# Altium PCB TIK_PCB.PcbDoc (part 1 of 2)
Units mm, origin at the board's own origin, x right, y up, seen from the top; angles counter-clockwise.
Board outline 132 x 54 mm, 2 copper layers (Top Layer, Bottom Layer), stack 1.57 mm thick; 153 components, 81 nets, 467 pads, 1308 vias.
Unrouted connection lines stored in the file: 276.
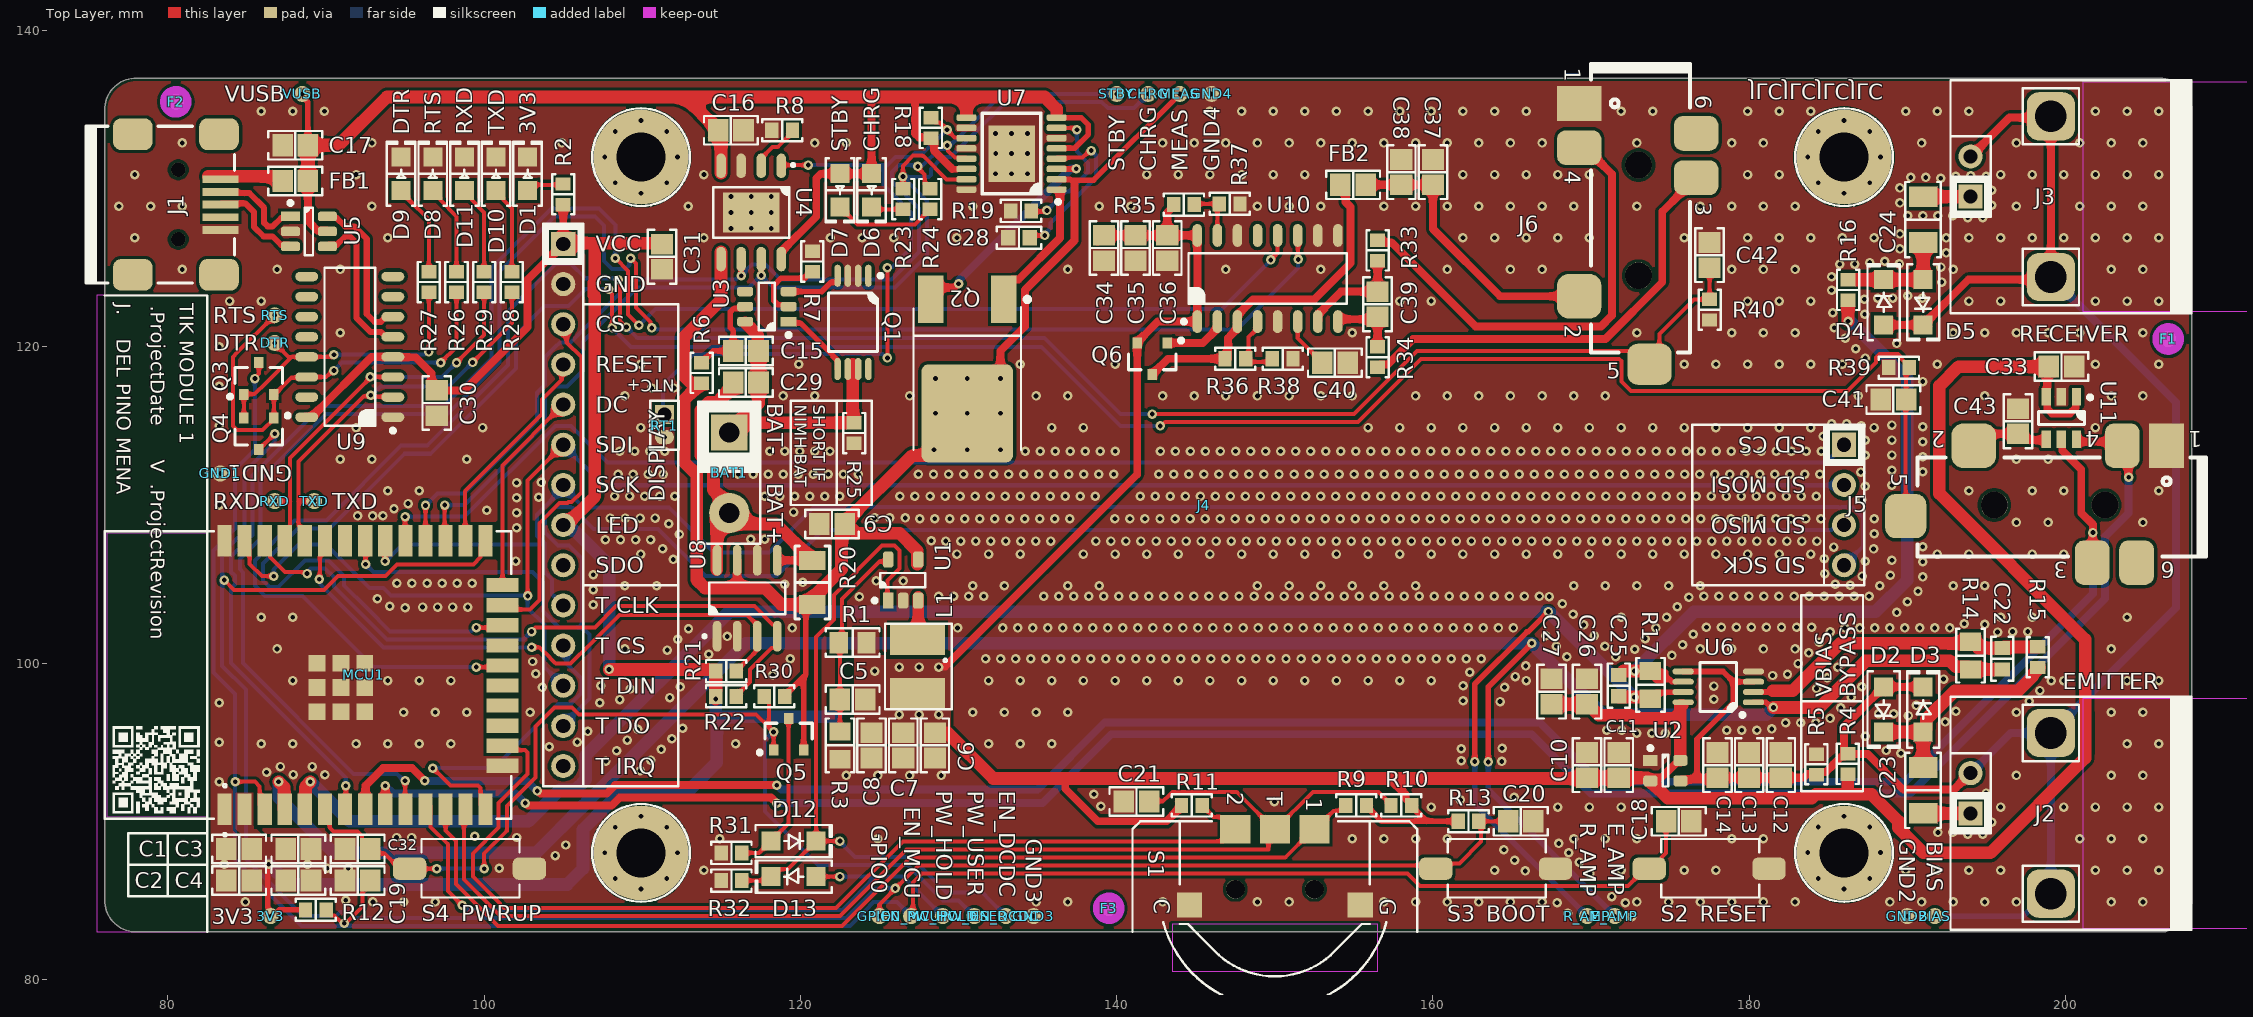
[diagram p0: Top Layer view]
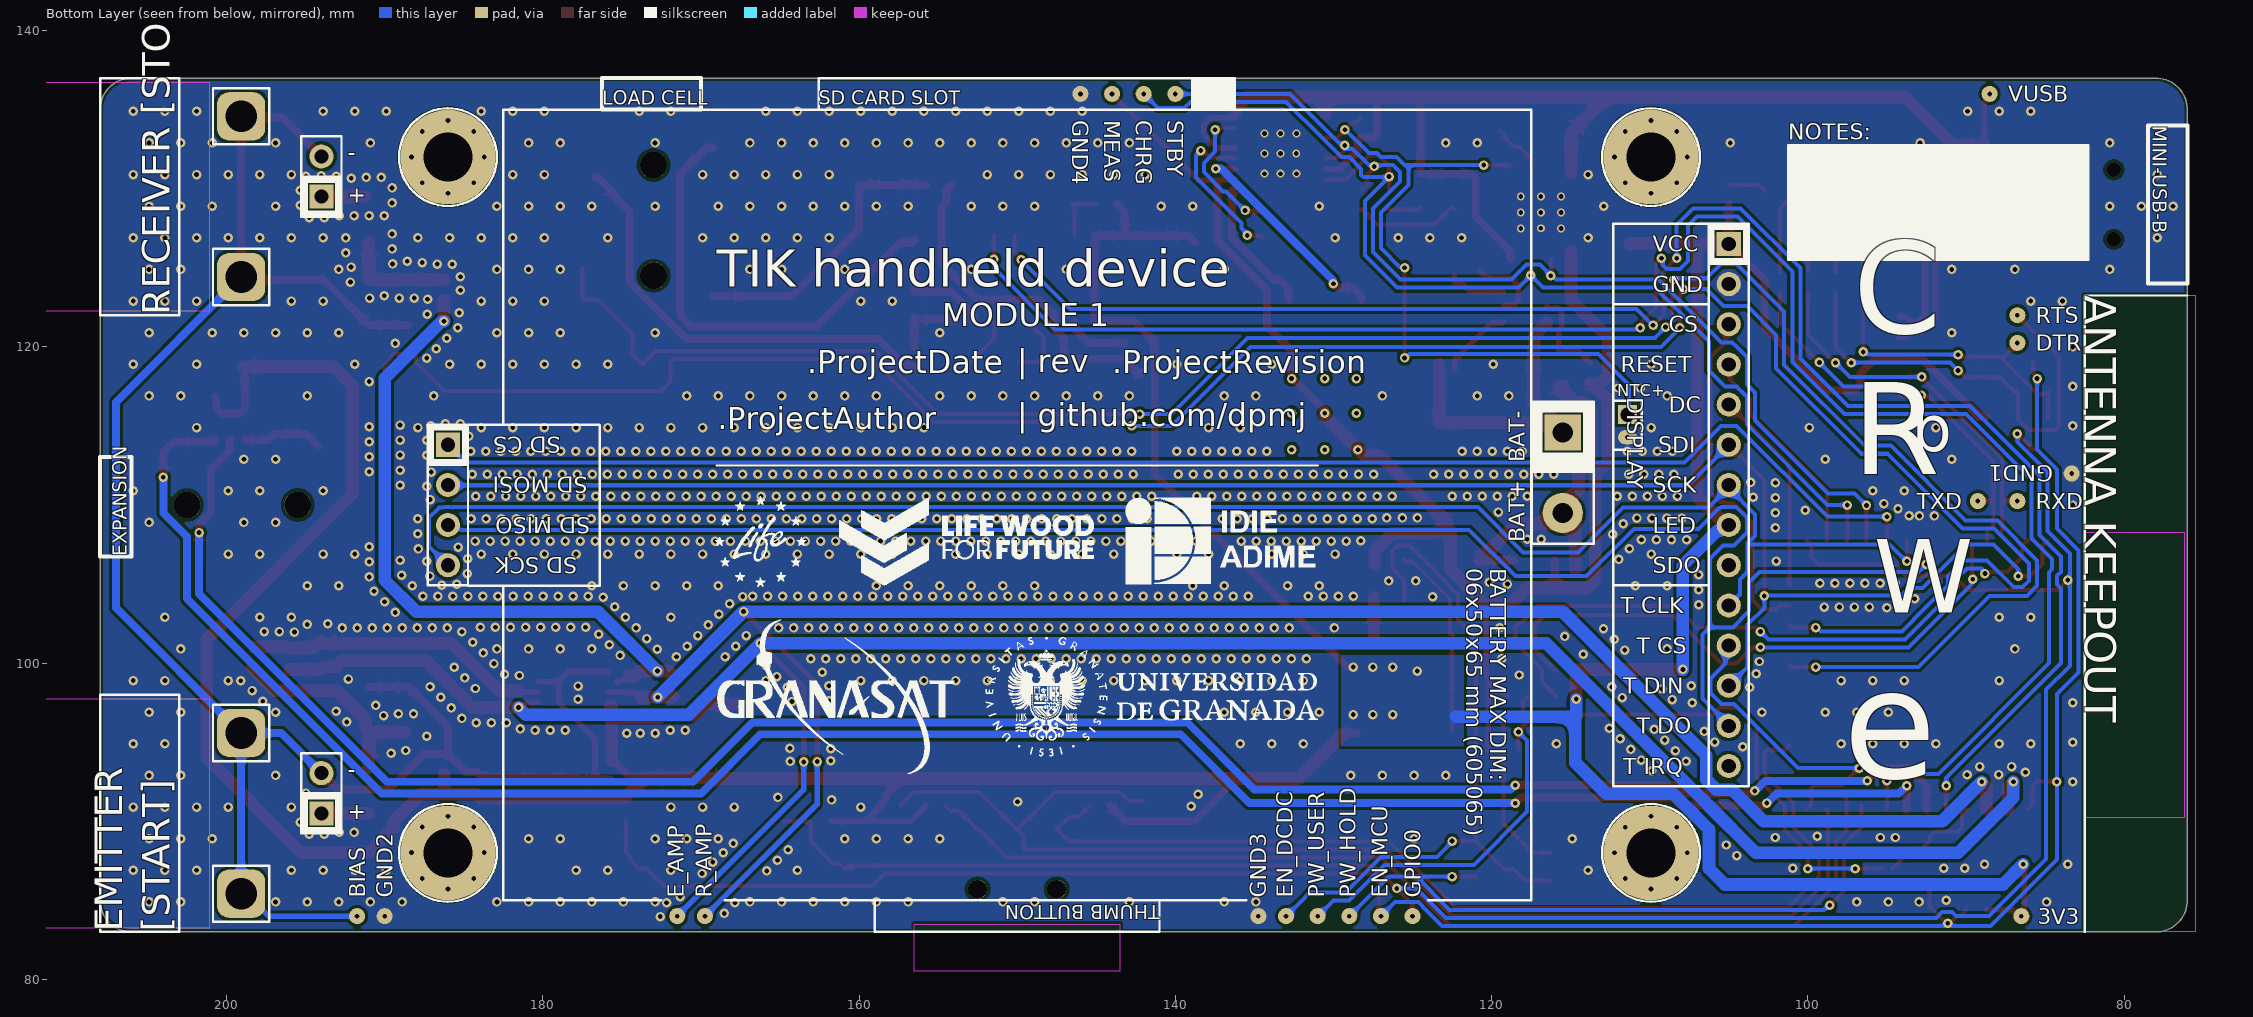
[diagram p1: Bottom Layer view, seen from below]

## Layer stack, top to bottom
Top Solder: solder mask 0.01, Solder Resist, Dk 3.5
Top Layer: signal copper 0.035
Dielectric1: dielectric 1.5, FR-4, Dk 4.5
Bottom Layer: signal copper 0.035
Bottom Solder: solder mask 0.01, Solder Resist, Dk 3.5

## Board outline
78,83 cw(c78,85) 76,85 76,135 cw(c78,135) 78,137 206,137 cw(c206,135) 208,135 208,85 cw(c206,85) 206,83 145,83

## Design rules (kind name [scope] priority, off if disabled: settings)
BoardOutlineClearance [All] p1: gap=0.2 ignorepadtopadclearanceinfootprint=FALSE except(0.4: Arc-SplitBarrior Arc-SplitContinuation Track-SplitBarrior Track-SplitContinuation SMDPad-SplitBarrior SMDPad-SplitContinuation THPad-SplitBarrior THPad-SplitContinuation Via-SplitBarrior Via-SplitContinuation Fill-SplitBarrior Fill-SplitContinuation Poly-SplitBarrior Poly-SplitContinuation Region-SplitBarrior Region-SplitContinuation Text-SplitBarrior Text-SplitContinuation)
Clearance "Clearance Bottom Layer" [OnLayer('Bottom Layer')] p1: gap=0.203 ignorepadtopadclearanceinfootprint=TRUE except(0.254: Arc-Text Track-Text SMDPad-Text THPad-Text Via-Text Fill-Text Poly-Text Region-Text Text-Text)
Clearance "Clearance Top Layer" [OnLayer('Top Layer')] p2: gap=0.203 ignorepadtopadclearanceinfootprint=TRUE except(0.254: Arc-Text Track-Text SMDPad-Text THPad-Text Via-Text Fill-Text Poly-Text Region-Text Text-Text)
Clearance [All] p3: gap=0.2 ignorepadtopadclearanceinfootprint=FALSE except(0.089: Arc-Arc Arc-Track Arc-SMDPad Track-Track Track-SMDPad SMDPad-SMDPad; 0.127: Arc-Via Track-Via SMDPad-Via THPad-Via Via-Via; 0.254: Arc-Text Track-Text SMDPad-Text THPad-Text Via-Text Fill-Text Poly-Text Region-Text Text-Text)
DiffPairsRouting [All] p1: maxlimit=0.254 minlimit=0.254 mostfreqgap=0.254 toplayer_minwidth=0.381 toplayer_maxwidth=0.381 toplayer_prefwidth=0.381 bottomlayer_minwidth=0.381 bottomlayer_maxwidth=0.381 bottomlayer_prefwidth=0.381 maxuncoupledlength=12.7
HoleSize [All] p1: absolutevalues=TRUE maxlimit=6.3 minlimit=0.2 maxpercent=80.000 minpercent=20.000
MatchedLengths "Schematic Matched Net Lengths_5" [InNetClass('I2C')] p1: tolerance=100 checknetsindiffpair=FALSE checkdiffpairvsdiffpair=TRUE checkxsignals=TRUE checkothers=TRUE
MatchedLengths "Schematic Matched Net Lengths_4" [InNetClass('UART')] p2: tolerance=100 checknetsindiffpair=FALSE checkdiffpairvsdiffpair=TRUE checkxsignals=TRUE checkothers=TRUE
MatchedLengths "Schematic Matched Net Lengths_3" [InNetClass('SPI')] p3: tolerance=60 checknetsindiffpair=FALSE checkdiffpairvsdiffpair=TRUE checkxsignals=TRUE checkothers=TRUE
MatchedLengths "Schematic Matched Net Lengths_2" [InNetClass('SIGNAL_AMP')] p4: tolerance=25 checknetsindiffpair=FALSE checkdiffpairvsdiffpair=TRUE checkxsignals=TRUE checkothers=TRUE
MatchedLengths "Schematic Matched Net Lengths_1" [InNet('RECEIVER_IN')] p5: tolerance=25 checknetsindiffpair=FALSE checkdiffpairvsdiffpair=TRUE checkxsignals=TRUE checkothers=TRUE
MatchedLengths "Schematic Matched Net Lengths" [InNet('EMITTER_IN')] p6: tolerance=25 checknetsindiffpair=FALSE checkdiffpairvsdiffpair=TRUE checkxsignals=TRUE checkothers=TRUE
MinimumAnnularRing [All] p1: minimumring=0.076
MinimumSolderMaskSliver [All] p1: minsoldermaskwidth=0.1
PolygonConnect PolygonConnect_1 [All] p1: connectstyle=Direct reliefconductorwidth=0.508 reliefentries=4 polygonreliefangle="90 Angle" airgapwidth=0.254
RoomDefinition "USB PORT" [InComponentClass('USB PORT')] p1: confinementstyle=ConfineIn formatcopy=TRUE lockcomponents=FALSE outline 74,122.75 93.75,122.75 93.75,137 74,137
RoutingCorners [All] p1: cornerstyle=Round minsetback=2.54 maxsetback=2.54
RoutingVias [All] p1: holewidth=0.3 width=0.6 viastyle="Through Hole" minholewidth=0.3 minwidth=0.6 maxholewidth=0.3 maxwidth=0.6
SilkToSilkClearance [All] p1: silktosilkclearance=0.1
SilkToSolderMaskClearance [IsPad] p1: minsilkscreentomaskgap=0.1 clearancetoexposedcopper=TRUE
SolderMaskExpansion SolderMaskExpansion_vias [IsVia] p1: expansion=0.102 istentingtop=TRUE
SolderMaskExpansion [All] p2: expansion=0.102 istentingtop=FALSE
Width "Schematic Width Constraint_26" [InNetClass('SIGNAL_FB')] p1: maxlimit=0.8 minlimit=0.35 preferedwidth=0.8 minimp=50.000000 maximp=50.000000 favimp=50.000000
Width "Schematic Width Constraint_25" [InNetClass('SIGNAL_AMP')] p2: maxlimit=0.8 minlimit=0.35 preferedwidth=0.8 minimp=50.000000 maximp=50.000000 favimp=50.000000
Width "Schematic Width Constraint_24" [InNetClass('SIGNAL_IN')] p3: maxlimit=0.8 minlimit=0.35 preferedwidth=0.8 minimp=50.000000 maximp=50.000000 favimp=50.000000
Width "Schematic Width Constraint_23" [InNet('NetU3_4')] p4: maxlimit=0.8 minlimit=0.35 preferedwidth=0.5
Width "Schematic Width Constraint_22" [InNet('SENSE')] p5: maxlimit=0.8 minlimit=0.35 preferedwidth=0.5
Width "Schematic Width Constraint_21" [InNet('VBIAS')] p6: maxlimit=0.8 minlimit=0.35 preferedwidth=0.5
Width "Schematic Width Constraint_20" [InNet('NetL1_1')] p7: maxlimit=0.8 minlimit=0.35 preferedwidth=0.5
Width "Schematic Width Constraint_19" [InNet('BAT+')] p8: maxlimit=0.8 minlimit=0.35 preferedwidth=0.5 minimp=50.000000 maximp=50.000000 favimp=50.000000
Width "Schematic Width Constraint_18" [InNet('BAT-')] p9: maxlimit=0.8 minlimit=0.35 preferedwidth=0.5 minimp=50.000000 maximp=50.000000 favimp=50.000000
Width "Schematic Width Constraint_17" [InNet('NetQ1_5')] p10: maxlimit=0.8 minlimit=0.35 preferedwidth=0.5
Width "Schematic Width Constraint_16" [InNet('VBUS')] p11: maxlimit=0.8 minlimit=0.35 preferedwidth=0.5
Width "Schematic Width Constraint_15" [InNet('NetQ1_1')] p12: maxlimit=0.8 minlimit=0.35 preferedwidth=0.5
Width "Schematic Width Constraint_14" [InNet('NetC15_2')] p13: maxlimit=0.8 minlimit=0.35 preferedwidth=0.5
Width "Schematic Width Constraint_13" [InNet('3V3')] p14: maxlimit=0.8 minlimit=0.35 preferedwidth=0.5
Width "Schematic Width Constraint_12" [InNet('NetQ1_8')] p15: maxlimit=0.8 minlimit=0.35 preferedwidth=0.5
Width "Schematic Width Constraint_11" [InNet('VMEAS')] p16: maxlimit=0.8 minlimit=0.35 preferedwidth=0.5 minimp=50.000000 maximp=50.000000 favimp=50.000000
Width "Schematic Width Constraint_10" [InNet('VUSB')] p17: maxlimit=0.8 minlimit=0.35 preferedwidth=0.5
Width "Schematic Width Constraint_9" [InNet('NetR7_2')] p18: maxlimit=0.8 minlimit=0.35 preferedwidth=0.5
Width "Schematic Width Constraint_8" [InNet('GND')] p19: maxlimit=0.8 minlimit=0.35 preferedwidth=0.5
Width "Schematic Width Constraint_7" [InNet('DRIVE')] p20: maxlimit=0.8 minlimit=0.35 preferedwidth=0.5
Width "Schematic Width Constraint_6" [InNet('NetQ1_4')] p21: maxlimit=0.8 minlimit=0.35 preferedwidth=0.5
Width "Schematic Width Constraint_5" [InNet('3V3_EXP')] p22: maxlimit=0.8 minlimit=0.35 preferedwidth=0.5
Width "Schematic Width Constraint_4" [InNet('E+')] p23: maxlimit=0.5 minlimit=0.35 preferedwidth=0.5
Width "Schematic Width Constraint_3" [InNet('AVDD')] p24: maxlimit=0.5 minlimit=0.35 preferedwidth=0.5
Width "Schematic Width Constraint_2" [InNetClass('LOAD_CELL_SIGNAL')] p25: maxlimit=0.5 minlimit=0.35 preferedwidth=0.5
Width "Schematic Width Constraint_1" [InNetClass('EXPANSION')] p26: maxlimit=0.5 minlimit=0.35 preferedwidth=0.5
Width "Schematic Width Constraint" [InNet('NetQ6_1')] p27: maxlimit=0.5 minlimit=0.35 preferedwidth=0.5
Width [All] p28: maxlimit=2.54 minlimit=0.089 preferedwidth=0.381
24 further rules are at their usual default settings.

## Classes and differential pairs
net class LOAD_CELL_SIGNAL: A+ A- INA+ INA-
net class EXPANSION: EXP_PORT_1 EXP_PORT_2
component class "HX711 LOAD CELL AMPLIFIER": C34 C35 C36 C37 C38 C39 C40 C42 FB2 J6 Q6 R33 R34 R35 R36 R37 R38 R40 U10
component class EXPANSION_PORT: C33 C41 C43 J5 R39 U11
net class SIGNAL_FB: NetC22_1 NetC25_1
net class UART: RXD TXD
net class SPI: SPI_MISO SPI_MOSI SPI_SCK
net class SIGNAL_IN: EMITTER_IN NetC23_1 NetC24_1 RECEIVER_IN
net class SIGNAL_AMP: EMITTER_AMP RECEIVER_AMP
net class POWER: 3V3 3V3_EXP AVDD BAT+ BAT- DRIVE E+ GND NetC15_2 NetL1_1 NetQ1_4 NetQ1_5 NetQ6_1 NetR7_2 SENSE VBIAS VBUS VMEAS VUSB
net class I2C: SCL SDA
component class "POWERUP BUTTON": C32 D12 D13 PW_HOLD PW_USER Q5 R30 R31 R32 S4
component class block_diagram: F1 F2 F3 GND1 GND2 GND3 GND4
component class "TFT LCD DISPLAY": C31 J4
component class "ESP32-WROOM-32D MCU": 3V3 C1 C2 C3 C4 MCU1
component class BUTTONS: C18 C19 C20 C21 EN_MCU GPIO0 R9 R10 R11 R12 R13 S1 S2 S3
component class "CHARGER VARIANT #2: Li-Ion": C15 C16 Q1 R6 R7 R8 U3 U4
component class "USB PORT": C17 FB1 J1 U5 VUSB
component class "SYSTEM POWER RAILS": C5 C6 C7 C8 C9 C10 C11 C12 C13 C14 D1 EN_DCDC L1 R1 R2 R3 R4 R5 U1 U2
component class "SIGNAL CONDITIONING": BIAS C22 C23 C24 C25 C26 C27 D2 D3 D4 D5 E_AMP J2 J3 R14 R15 R16 R17 R_AMP U6
component class "CHARGER VARIANT #1: NiMH": C28 Q2 R18 R19 U7
component class "BATTERY AND CURRENT SENSE": BAT1 C29 CHRG D6 D7 MEAS R20 R21 R22 R23 R24 R25 RT1 STBY U8
component class "MCU AUTO PROGRAMMING": C30 D8 D9 D10 D11 DTR Q3 Q4 R26 R27 R28 R29 RTS RXD TXD U9
differential pair USB_D: +USB_D_P -USB_D_N
differential pair ESD_D: +ESD_D_P -ESD_D_N

## Components (designator, comment, footprint, x,y, rotation, side; value= is the part's Value field where it differs from the comment)
3V3 "Test Point Pad dual sided" "TEST POINT PAD" 86.5,84 r0 top
BAT1 "Battery pads" BATTERY_PADS 115.5,114.58 r270 top
BIAS "Test Point Pad dual sided" "TEST POINT PAD" 191.75,84 r270 top (schematic designator VBIAS)
C1 "Cap_cer_0805" "CAP 0805_2012" 84.5,88.25 r0 top value=47pF
C2 "Cap_cer_0805" "CAP 0805_2012" 84.5,86.25 r0 top value=100nF
C3 "Cap_cer_0805" "CAP 0805_2012" 88.25,88.25 r180 top value=10uF
C4 "Cap_cer_0805" "CAP 0805_2012" 88.25,86.25 r180 top value=22uF
C5 "Cap_cer_0805" "CAP 0805_2012" 123.3,97.7 r0 top value=27pF
C6 "Cap_cer_0805" "CAP 0805_2012" 128.5,94.8 r90 top value=22uF
C7 "Cap_cer_0805" "CAP 0805_2012" 126.5,94.8 r90 top value=22uF
C8 "Cap_cer_0805" "CAP 0805_2012" 124.5,94.8 r90 top value=100nF
C9 "Cap_cer_0805" "CAP 0805_2012" 122,108.8 r0 top value=22uF
C10 "Cap_cer_0805" "CAP 0805_2012" 169.75,93.55 r270 top value=1uF
C11 "Cap_cer_0805" "CAP 0805_2012" 171.75,93.55 r270 top value=1uF
C12 "Cap_cer_0805" "CAP 0805_2012" 182,93.55 r270 top value=22uF
C13 "Cap_cer_0805" "CAP 0805_2012" 180,93.55 r270 top value=100nF
C14 "Cap_cer_0805" "CAP 0805_2012" 178,93.55 r270 top value=47pF
C15 "Cap_cer_0805" "CAP 0805_2012" 116.55,119.75 r180 top value=100nF
C16 "Cap_cer_0805" "CAP 0805_2012" 115.6,133.7 r180 top value=10uF
C17 "Cap_cer_0805" "CAP 0805_2012" 88.05,132.75 r0 top value=100nF
C18 "Cap_cer_0805" "CAP 0805_2012" 175.55,90 r180 top value=100nF
C19 "Cap_cer_0805" "CAP 0805_2012" 92,86.25 r0 top value=1uF
C20 "Cap_cer_0805" "CAP 0805_2012" 165.55,90 r180 top value=100nF
C21 "Cap_cer_0805" "CAP 0805_2012" 141.25,91.25 r0 top value=100nF
C22 "Cap_cer_0603_100pF_5%" "CAP 0603_1608" 196,100.275 r270 top value=100pF
C23 "Cap_cer_0805" "CAP 1206_3216" 191,91.95 r90 top value=100nF
C24 "Cap_cer_0805" "CAP 1206_3216" 191,128.05 r270 top value=100nF
C25 "Cap_cer_0603_22pF_5%" "CAP 0603_1608" 171.75,98.575 r270 top value=22pF
C26 "Cap_cer_0805" "CAP 0805_2012" 169.75,98.2 r270 top value=10uF
C27 "Cap_cer_0805" "CAP 0805_2012" 167.5,98.2 r270 top value=100nF
C28 "Cap_cer_0603_470pF_5%" "CAP 0603_1608" 133.825,126.9 r0 top value=470pF
C29 "Cap_cer_0805" "CAP 0805_2012" 116.55,117.75 r180 top value=10uF
C30 "Cap_cer_0805" "CAP 0805_2012" 97,116.45 r90 top value=100nF
C31 "Cap_cer_0805" "CAP 0805_2012" 111.25,125.7 r90 top value=100nF
C32 "Cap_cer_0805" "CAP 0805_2012" 92,88.25 r0 top value=100nF
C33 "Cap_cer_0805" "CAP 0805_2012" 199.75,118.75 r180 top value=100nF
C34 "Cap_cer_0805" "CAP 0805_2012" 139.2,126.25 r90 top value=47pF
C35 "Cap_cer_0805" "CAP 0805_2012" 141.2,126.25 r90 top value=100nF
C36 "Cap_cer_0805" "CAP 0805_2012" 143.2,126.25 r90 top value=10uF
C37 "Cap_cer_0805" "CAP 0805_2012" 160,131.05 r270 top value=100nF
C38 "Cap_cer_0805" "CAP 0805_2012" 158,131.05 r270 top value=10uF
C39 "Cap_cer_0805" "CAP 0805_2012" 156.5,122.7 r90 top value=100nF
C40 "Cap_cer_0805" "CAP 0805_2012" 153.8,119 r180 top value=100nF
C41 "Cap_cer_0805" "CAP 0805_2012" 189.122,116.683 r0 top value=100nF
C42 "Cap_cer_0805" "CAP 0805_2012" 177.5,125.8 r270 top value=100nF
C43 "Cap_cer_0805" "CAP 0805_2012" 197,115.3 r270 top value=22uF
CHRG "Test Point Pad dual sided" "TEST POINT PAD" 142,136 r90 top
D1 "Diode LED_G_0805" "LED 0805_2012 GREEN" 102.75,130.95 r90 top
D2 "Diode 1N4148W" "SOD123F 1N4148W" 188.5,97.07 r270 top
D3 "Diode 1N4148W" "SOD123F 1N4148W" 191,97.07 r90 top
D4 "Diode 1N4148W" "SOD123F 1N4148W" 188.5,122.82 r90 top
D5 "Diode 1N4148W" "SOD123F 1N4148W" 191,122.82 r270 top
D6 "Diode LED_G_0805" "LED 0805_2012 GREEN" 124.5,129.9 r270 top
D7 "Diode LED_R_0805" "LED 0805_2012 RED" 122.5,129.9 r270 top
D8 "Diode LED_G_0805" "LED 0805_2012 GREEN" 96.75,130.95 r90 top
D9 "Diode LED_R_0805" "LED 0805_2012 RED" 94.75,130.95 r90 top
D10 "Diode LED_G_0805" "LED 0805_2012 GREEN" 100.75,130.95 r90 top
D11 "Diode LED_R_0805" "LED 0805_2012 RED" 98.75,130.95 r90 top
D12 "Diode 1N4148W" "SOD123F 1N4148W" 119.57,88.75 r0 top
D13 "Diode 1N4148W" "SOD123F 1N4148W" 119.57,86.5 r180 top
DTR "Test Point Pad dual sided" "TEST POINT PAD" 86.75,120.25 r0 top
E_AMP "Test Point Pad dual sided" "TEST POINT PAD" 171.5,84 r270 top
EN_DCDC "Test Point Pad dual sided" "TEST POINT PAD" 133,84 r270 top
EN_MCU "Test Point Pad dual sided" "TEST POINT PAD" 127,84 r270 top
F1 "Fiducial_1mm_2mm" FIDUCIAL_1MM_2MM 206.5,120.5 r0 top
F2 "Fiducial_1mm_2mm" FIDUCIAL_1MM_2MM 80.5,135.5 r90 top
F3 "Fiducial_1mm_2mm" FIDUCIAL_1MM_2MM 139.5,84.5 r270 top
FB1 "Ferrite Bead Chip Fair-Rite 2508056007Y3" "FER 0805_2012" 88.05,130.5 r0 top value="40mR, 3A 25%"
FB2 "Ferrite Bead Chip Fair-Rite 2508056007Y3" "FER 0805_2012" 154.95,130.25 r180 top value="40mR, 3A 25%"
GND1 "Test Point Pad dual sided" "TEST POINT PAD" 83.313,111.993 r180 top
GND2 "Test Point Pad dual sided" "TEST POINT PAD" 190,84 r270 top
GND3 "Test Point Pad dual sided" "TEST POINT PAD" 134.75,84 r270 top
GND4 "Test Point Pad dual sided" "TEST POINT PAD" 146,136 r90 top
GPIO0 "Test Point Pad dual sided" "TEST POINT PAD" 125,84 r270 top
J1 "USB-MINI-B Female" "FCI USB Type B Mini 10033526-N3212LF" 79.5,129 r90 top
J2 "BNC-Female" "BNC RIGHT ANGLE" 194,93.04 r270 top
J3 "BNC-Female" "BNC RIGHT ANGLE" 194,132.04 r270 top
J4 "ILI9341 TFT LCD" "ILI9341 2.8\" TFT LCD + SD CARD" 105,126.51 r90 top locked
J5 "CON EXPANSION_PORT" JACK_6_CONN_CUI_DEVICES_SJ-43516-SMT 206.4,113.75 r180 top
J6 "CON LOAD CELL PORT JACK" JACK_6_CONN_CUI_DEVICES_SJ-43516-SMT 169.25,135.4 r270 top
L1 "Ind 2uH_Wire_Shield_2A_4x4" "Inductor 4x4mm" 127.4,101.5 r180 top value=2.2uH
MCU1 "MCU ESP32-WROOM-32D" MODULE_ESP32-WROOM-32 83.7,90.75 r90 top locked
MEAS "Test Point Pad dual sided" "TEST POINT PAD" 144,136 r90 top
PW_HOLD "Test Point Pad dual sided" "TEST POINT PAD" 129,84 r270 top
PW_USER "Test Point Pad dual sided" "TEST POINT PAD" 131,84 r270 top
Q1 "FS825A" "TSSOP-8 FS8205A" 123.325,121.55 r270 top
Q2 "PNP BJT MJD210 transistor" "DPAK TO-252 MJD210" 132.85,123 r180 top
Q3 "NMOS 2N7002" "SOT-23-3 TO-236AB 2N7002" 85.75,118 r90 top
Q4 "NMOS 2N7002" "SOT-23-3 TO-236AB 2N7002" 85.75,114.5 r270 top
Q5 "PMOS BSS84AK" "SOT-23-3 TO-236AB 2N7002" 119.25,95.5 r90 top
Q6 "PNP BJT BC858 transistor" "SOT-23-3 TO-236AB BC858" 142.25,119.25 r270 top
R1 "Res_0805_150K_1%_1/8W" "RES 0805_2012" 123.3,101.3 r0 top value=150K
R2 "Res_0603_100R_5%_100mW" "RES 0603_1608" 105,129.65 r270 top value=100R
R3 "Res_0805_33K_1%_1/8W" "RES 0805_2012" 122.5,94.8 r90 top value=33K
R4 "Res_0603_0ohm" "RES 0603_1608" 186.237,93.625 r270 top value=0R
R5 "Res_0603_0ohm" "RES 0603_1608" 184.25,93.6 r270 top value=0R
R6 "Res_0603_100R_5%_100mW" "RES 0603_1608" 113.75,118.35 r270 top value=100R
R7 "Res_0603_1K_5%_100mW" "RES 0603_1608" 120.75,125.4 r270 top value=1K
R8 "Res_0603_1.2K_1%_100mW" "RES 0603_1608" 118.85,133.7 r0 top value=1.2K
R9 "Res_0603_10K_5%_100mW_1" "RES 0603_1608" 155.15,91 r0 top value=10K
R10 "Res_0603_10K_5%_100mW_1" "RES 0603_1608" 158,91 r0 top value=10K
R11 "Res_0603_10K_5%_100mW_1" "RES 0603_1608" 144.75,91 r180 top value=10K
R12 "Res_0603_10K_5%_100mW_1" "RES 0603_1608" 89.35,84.4 r180 top value=10K
R13 "Res_0603_10K_5%_100mW_1" "RES 0603_1608" 162.25,90 r180 top value=10K
R14 "Yageo-RC0805FR-072ML" "RES 0805_2012" 194,100.475 r270 top value=1M
R15 "Res_0603_1K_5%_100mW" "RES 0603_1608" 198.25,100.375 r90 top value=1K
R16 "Res_0603_1K_5%_100mW" "RES 0603_1608" 186.25,123.6 r270 top value=1K
R17 "Yageo-RC0805FR-072ML" "RES 0805_2012" 173.75,98.625 r270 top value=1M
R18 "Res_0603_4.7K_1%_100mW" "RES 0603_1608" 128.25,133.85 r270 top value=4.7K
R19 "Res_0603_1.5K_1%_100mW" "RES 0603_1608" 133.95,128.6 r0 top value=1.5K
R20 "sense" "RES 1206_3216" 120.75,105.1 r270 top value=0.2R
R21 "Res_0603_4.7K_1%_100mW" "RES 0603_1608" 115.3,99.5 r180 top value=4.7K
R22 "Res_0603_4.7K_1%_100mW" "RES 0603_1608" 115.3,97.9 r180 top value=4.7K
R23 "Res_0603_220_5%_100mW" "RES 0603_1608" 126.5,129.35 r270 top value=220
R24 "Res_0603_220_5%_100mW" "RES 0603_1608" 128.2,129.35 r270 top value=220
R25 "Res_0603_0ohm" "RES 0603_1608" 123.4,114.55 r90 top value=0R
R26 "Res_0603_150_5%_100mW" "RES 0603_1608" 98.25,124.1 r270 top value=150
R27 "Res_0603_150_5%_100mW" "RES 0603_1608" 96.5,124.1 r270 top value=150
R28 "Res_0603_150_5%_100mW" "RES 0603_1608" 101.75,124.1 r270 top value=150
R29 "Res_0603_150_5%_100mW" "RES 0603_1608" 100,124.1 r270 top value=150
R30 "Res_0603_100K_5%_100mW" "RES 0603_1608" 118.35,97.9 r0 top value=100K
R31 "Res_0603_100K_5%_100mW" "RES 0603_1608" 115.64,88 r0 top value=100K
R32 "Res_0603_100K_5%_100mW" "RES 0603_1608" 115.64,86.25 r0 top value=100K
R33 "Res_0603_100R_5%_100mW" "RES 0603_1608" 156.5,126.1 r270 top value=100R
R34 "Res_0603_100R_5%_100mW" "RES 0603_1608" 156.5,119.35 r90 top value=100R
R35 "Res_0603_10K_5%_100mW_1" "RES 0603_1608" 144.25,129 r180 top value=10K
R36 "Res_0603_22K_5%_100mW" "RES 0603_1608" 147.5,119.25 r180 top value=22K
R37 "Res_0603_10K_5%_100mW_1" "RES 0603_1608" 147.15,129.05 r180 top value=10K
R38 "Res_0603_10K_5%_100mW_1" "RES 0603_1608" 150.5,119.25 r180 top value=10K
R39 "Res_0603_10K_5%_100mW_1" "RES 0603_1608" 189.472,118.683 r0 top value=10K
R40 "Res_0603_10K_5%_100mW_1" "RES 0603_1608" 177.5,122.35 r90 top value=10K
R_AMP "Test Point Pad dual sided" "TEST POINT PAD" 169.75,84 r270 top
RT1 "NTC 10K tht" "NTC THT VER" 111.4,115 r270 top value=10K
RTS "Test Point Pad dual sided" "TEST POINT PAD" 86.75,122 r0 top
RXD "Test Point Pad dual sided" "TEST POINT PAD" 86.75,110.25 r0 top
S1 "SWITCH Multidirection Slide Push Button SMD TS-003" "SWITCH THUMB MULTIDIRECTION K1-1502SA-01" 150,89.5 r270 top locked
S2 "Button" "BUTTON GENERIC" 173.63,90.277 r270 top
S3 "Button" "BUTTON GENERIC" 160.13,90.277 r270 top
S4 "Button" "BUTTON GENERIC" 95.237,90.277 r270 top
STBY "Test Point Pad dual sided" "TEST POINT PAD" 140,136 r90 top